# Altium PCB HMC194A.PcbDoc
Units mil, origin at the board's own origin, x right, y up, seen from the top; angles counter-clockwise.
Board outline 1095 x 1110 mil, 2 copper layers (Top Layer, Bottom Layer); 8 components, 9 nets, 38 pads, 144 vias.
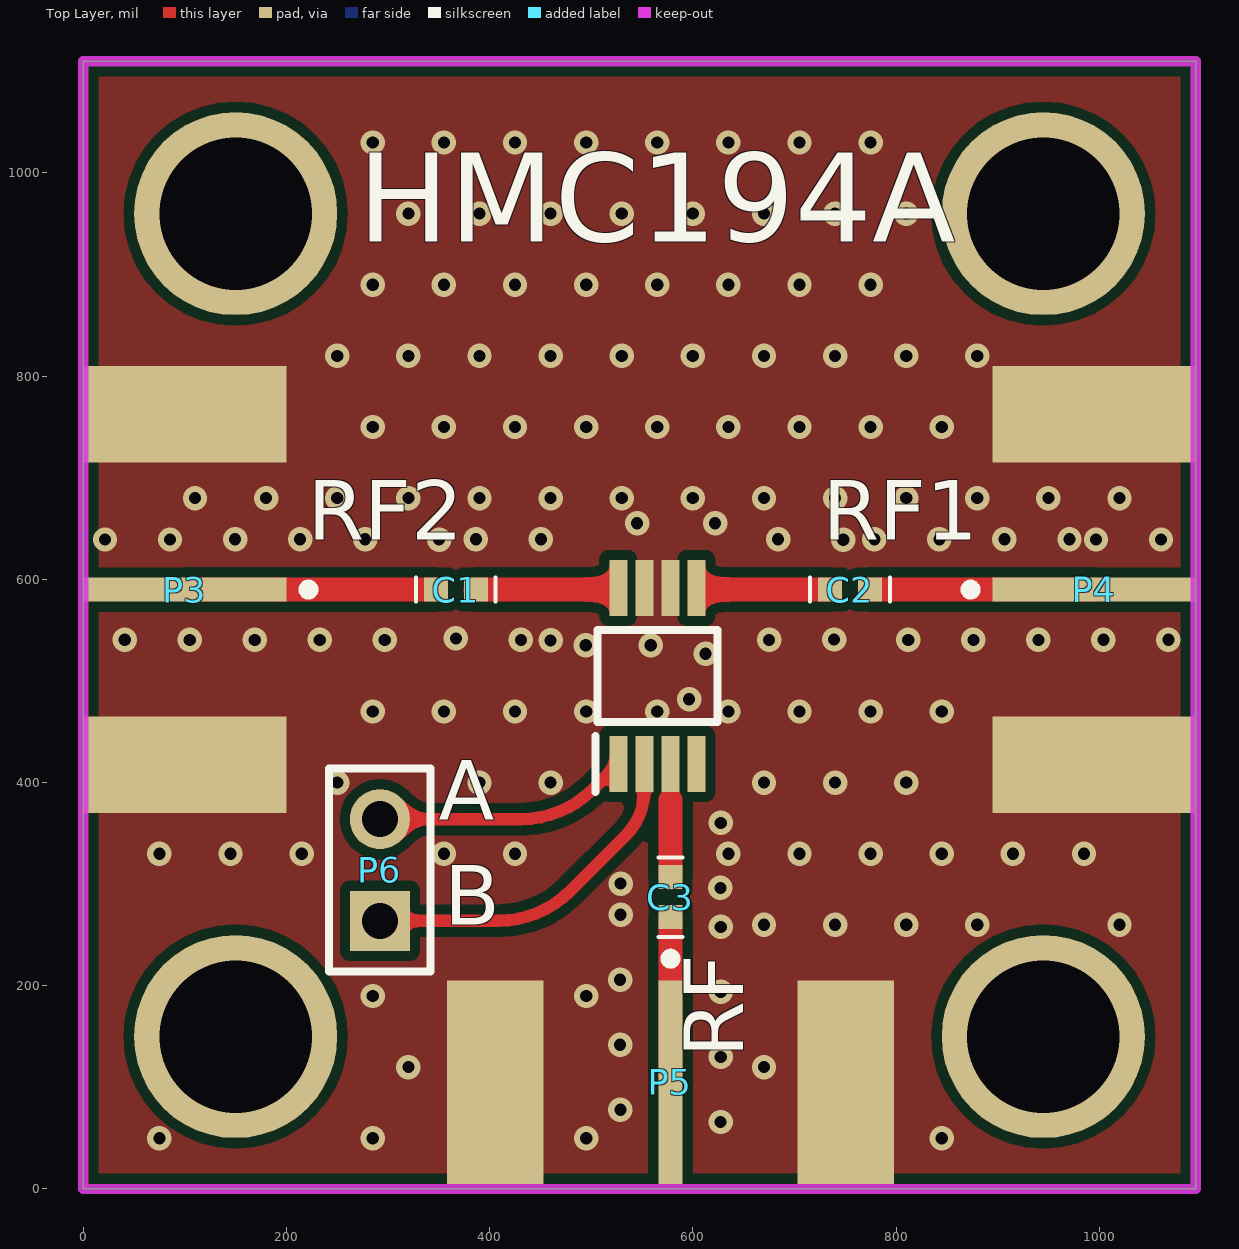
[diagram p0: Top Layer view]
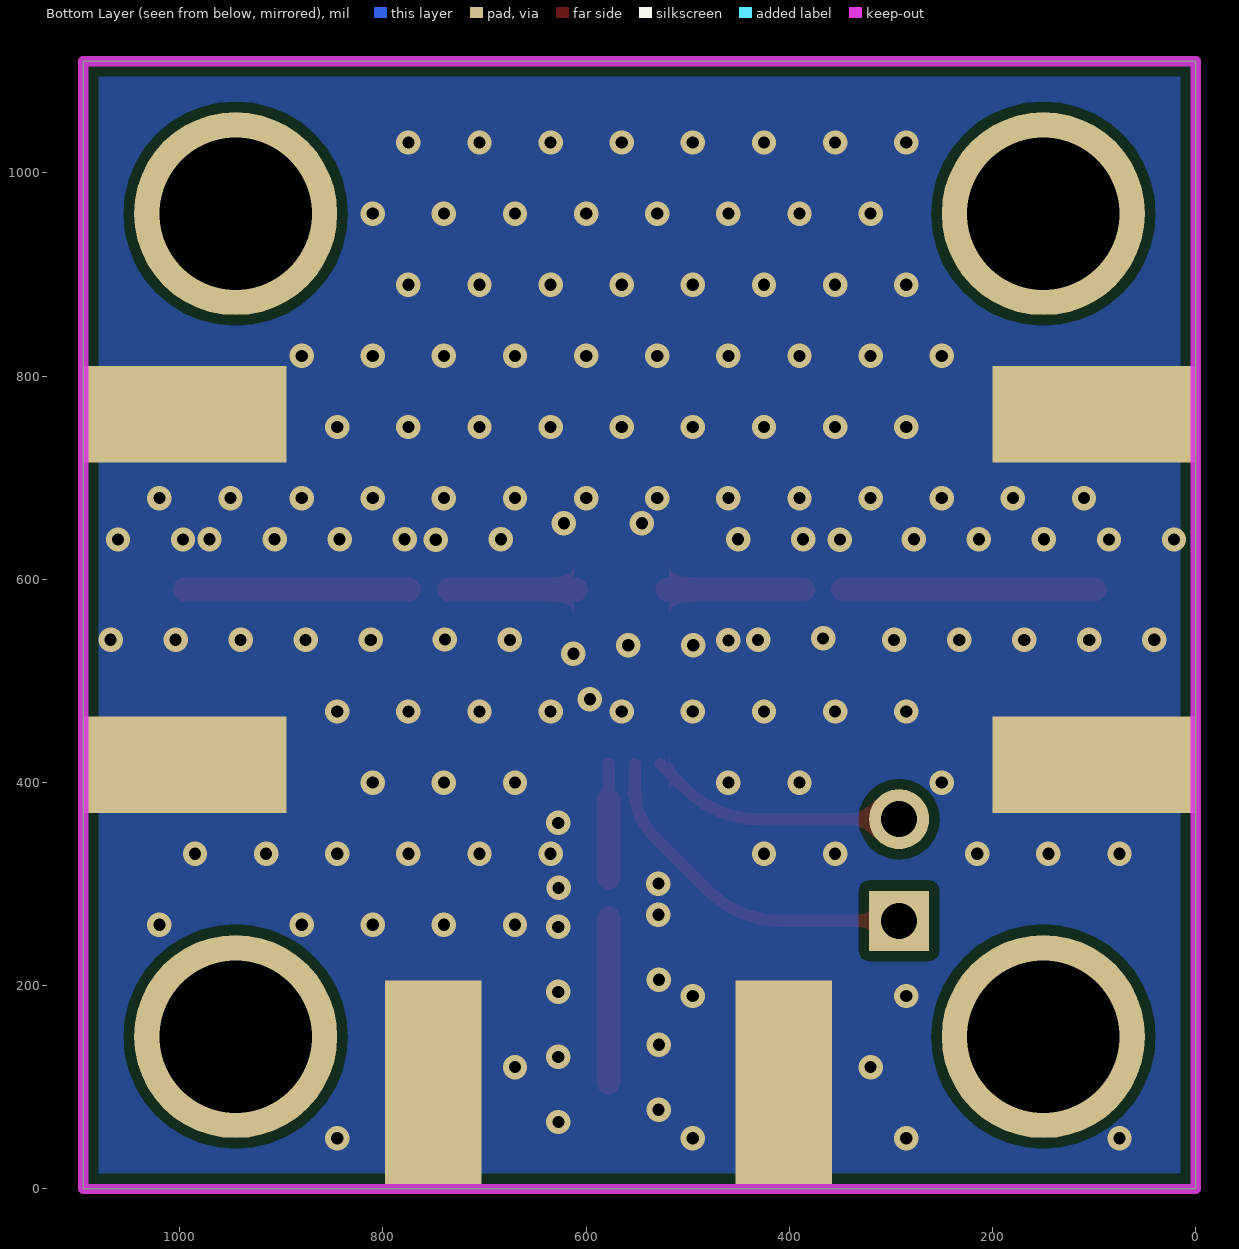
[diagram p1: Bottom Layer view, seen from below]
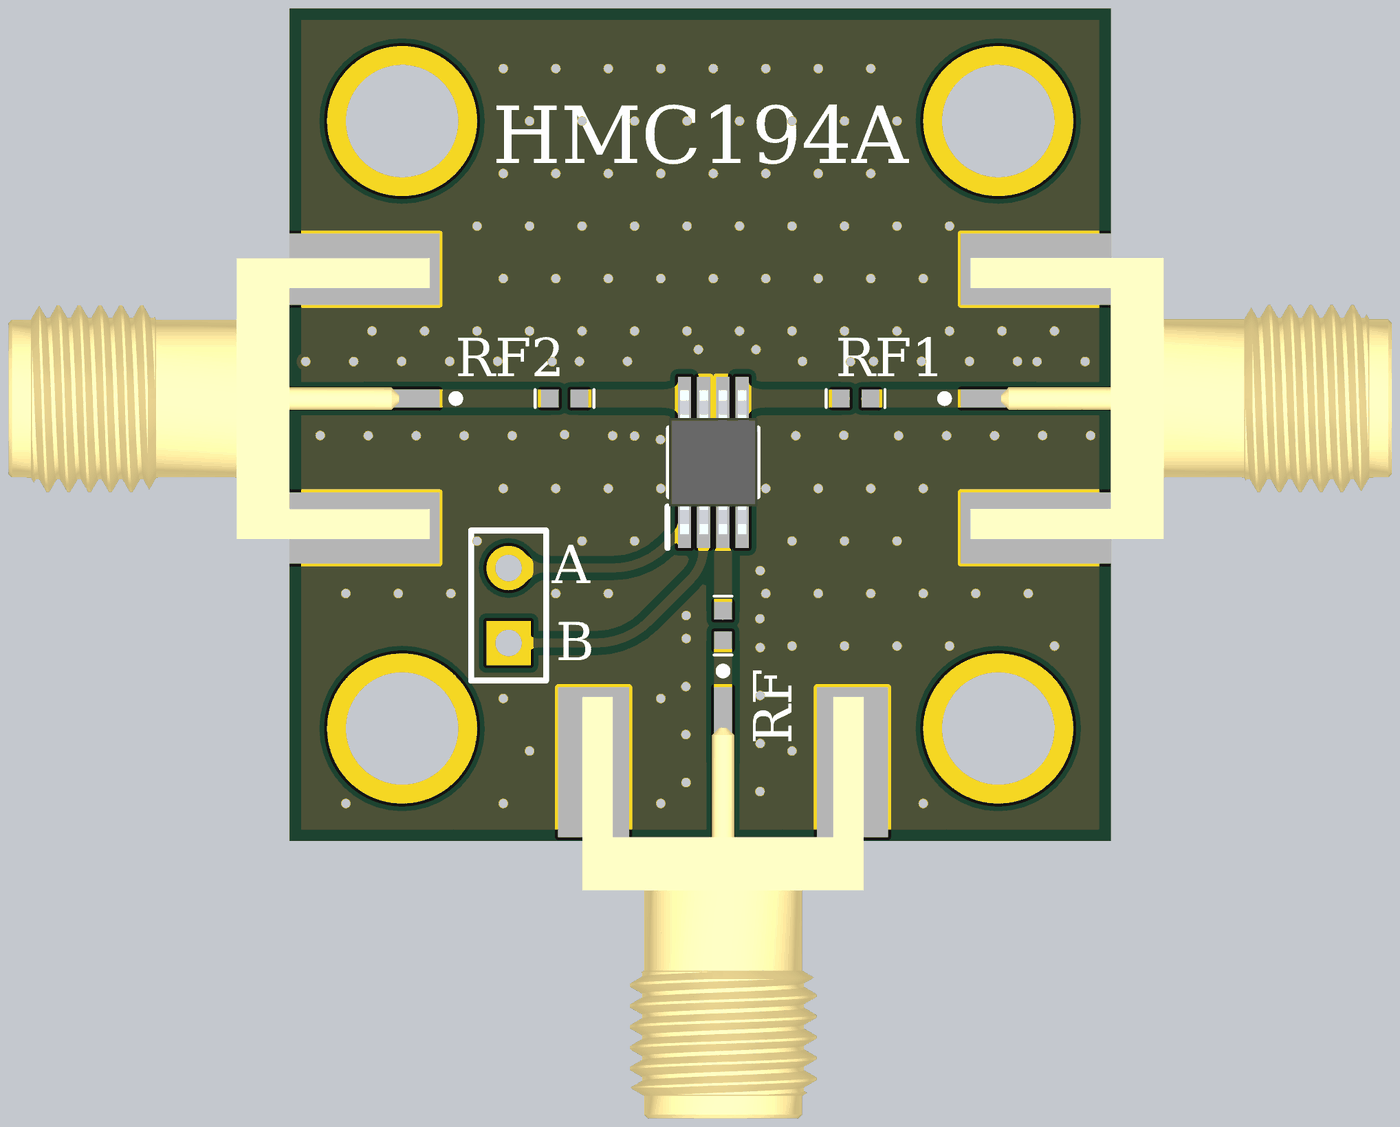
[diagram p2: 3D render of the assembled board from above, using the file's embedded part models]

## Layer stack, top to bottom
Top Solder: solder mask 0.4, Solder Resist, Dk 3.5
Top Layer: signal copper 1.4
Dielectric 1: dielectric 12.6, FR-4, Dk 4.8
Bottom Layer: signal copper 1.4
Bottom Solder: solder mask 0.4, Solder Resist, Dk 3.5

## Board outline
0,0 1095,0 1095,1110 0,1110

## Design rules (kind name [scope] priority, off if disabled: settings)
Clearance [All] p1: gap=10 ignorepadtopadclearanceinfootprint=FALSE except(0: Arc-Hole Track-Hole SMDPad-Hole THPad-Hole Via-Hole Fill-Hole Poly-Hole Region-Hole Text-Hole)
PlaneConnect [All] p1: planeconnectstyle=Direct reliefexpansion=20 reliefentries=4 reliefconductorwidth=10 reliefairgap=10
PolygonConnect [All] p1: connectstyle=Direct reliefconductorwidth=10 reliefentries=4 polygonreliefangle="90 Angle" airgapwidth=10
RoutingVias [All] p1: holewidth=28 width=50 viastyle="Through Hole" minholewidth=28 minwidth=50 maxholewidth=28 maxwidth=50
SolderMaskExpansion [All] p1: expansion=4
Width [All] p1: maxlimit=40 minlimit=10 preferedwidth=12
29 further rules are at their usual default settings.

## Components (designator, comment, footprint, x,y, rotation, side; value= is the part's Value field where it differs from the comment)
C1 "10u" 0402 386.37,590 r180 top
C2 "10u" 0402 735,590 r0 top
C3 "10u" 0402 578,267.63 r90 top
HMC194A "HMC194AMS8E" SOP65P488X110-8N 565,505 r90 top (schematic designator IC1)
P3 "SMA" SMA 196,585 r0 top
P4 "SMA" SMA 899,595 r180 top
P5 "SMA" SMA 583,201 r90 top
P6 "Header 2" HDR1X2 292,264 r90 top

## Footprints (in the part's own frame and the unit in brackets; to place one, negate y for a bottom-side part, rotate by r counter-clockwise, add the part's x,y. Pads: shape width x height; smd on the part's side, far side on the other; paste and mask are expansions set on the pad)
0402 [mm]
  rect 0.6x0.6 smd: 1(0,0) 2(1,0)
  silkscreen extent -0.5,-0.3 1.5,0.3
HDR1X2 [mm]
  rect 1.5x1.5 hole 0.9: 1(0,0)
  round 1.5 hole 0.9: 2(2.54,0)
  silkscreen extent -1.27,-1.27 3.81,1.27
SMA [mil]
  rect 200x24 smd: 1(-96,5)
  rect 200x95 smd: 2(-96,-167.5) 2(-96,177.5)
  rect 200x95 smd far side: 2(-96,-167.5) 2(-96,177.5) 2(-96,177.5)
  silkscreen extent 21,0 31,10, body extent -571,-183 -9,192, height 171
SOP65P488X110-8N [mm]
  rect 1.4x0.45 smd: 1(-2.2,0.975) 2(-2.2,0.325) 3(-2.2,-0.325) 4(-2.2,-0.975) 5(2.2,-0.975) 6(2.2,-0.325) 7(2.2,0.325) 8(2.2,0.975)
  silkscreen extent -2.9,-1.5 1.15,1.55, body extent -2.44,-1.5 2.44,1.5, height 1.1

## Part data
C1 C2 C3: library part C, "Capacitor"
HMC194A: "Integrated Circuit", Manufacturer_Name="Analog Devices", Mouser Part Number=584-HMC194AMS8E, Arrow Part Number=HMC194AMS8E, Arrow Price/Stock=https://www.arrow.com/en/products/hmc194ams8e/analog-devices, Datasheet Link=https://www.mouser.in/datasheet/2/609/hmc194a-1503833.pdf, Height=1.1mm, Manufacturer_Part_Number=HMC194AMS8E, Mouser Price/Stock=https://www.mouser.co.uk/ProductDetail/Analog-Devices/HMC194AMS8E?qs=pceeu5JH%2FH9MSXBwBTVYMg%3D%3D
P3 P4 P5: "SMA Connector"
P6: "Header, 2-Pin", LatestRevisionDate=17-Jul-2002, LatestRevisionNote="Re-released for DXP Platform.", Publisher="Altium Limited"

## Free pads (board coordinates)
  round 200 hole 150: 7(150,150) 7(150,960) 7(945,150) 7(945,960)

## Via types
v1: diameter 24, hole 12, Top Layer to Bottom Layer, tented both sides, 144 vias

## Nets (pads, with @x,y where several pads share a name; then routed paths per layer and width w, separated by ;. In a path a pad name is that pad's centre, name@x,y a point inside that pad or via, vN(x,y) a via of type N, cw(c..) or ccw(c..) an arc to the next point about the centre after c; other vN are vias at no path point)
GND: HMC194A.6 HMC194A.7 P3.2 P4.2 P5.2
  other v1: 75,50 285,50 495,50 845,50 627.32,65.98 528.68,77.96 320,120 670,120 627.55,129.98 528.45,141.96 285,190 495,190 627.55,193.98 528.45,205.96 627.55,257.98 670,260 740,260 810,260 880,260 1020,260 528.87,269.96 627.13,296.38 528.87,300.61 75,330 145,330 215,330 355,330 425,330 635,330 705,330 775,330 845,330 915,330 985,330 627.55,360.38 250,400 390,400 460,400 670,400 740,400 810,400 285,470 355,470 425,470 495,470 565,470 635,470 705,470 775,470 845,470 596.31,481.99 612.55,526.78 494.54,535.24 558.54,535.11 104.86,540.45 168.86,540.45 232.86,540.45 296.86,540.45 430.75,540.45 460,540 675.08,540.45 812.1,540.45 876.1,540.45 940.1,540.45 40.86,540.68 739.08,540.87 1004.1,540.68 1068.1,540.68 366.76,541.9 21.44,639.32 85.44,639.32 350.22,639.13 747.95,638.98 996.79,639.32 1060.79,639.32 149.44,639.55 213.44,639.55 277.44,639.55 386.49,639.55 450.49,639.55 683.96,639.55 778.69,639.55 842.69,639.55 906.69,639.55 970.69,639.55 545.13,655.22 621.9,655.22 110,680 180,680 250,680 320,680 390,680 460,680 530,680 600,680 670,680 740,680 810,680 880,680 950,680 1020,680 285,750 355,750 425,750 495,750 565,750 635,750 705,750 775,750 845,750 250,820 320,820 390,820 460,820 530,820 600,820 670,820 740,820 810,820 880,820 285,890 355,890 425,890 495,890 565,890 635,890 705,890 775,890 320,960 390,960 460,960 530,960 600,960 670,960 740,960 810,960 285,1030 355,1030 425,1030 495,1030 565,1030 635,1030 705,1030 775,1030
NetC1_1: C1.1 HMC194A.8 | length 133.4
  Top Layer w24: C1.1 HMC194A.8@519.73,590
NetC1_2: C1.2 P3.1 | length 247
  Top Layer w24: P3.1 C1.2
NetC2_1: C2.1 HMC194A.5 | length 124.7
  Top Layer w24: HMC194A.5@610.27,590 C2.1
NetC2_2: C2.2 P4.1 | length 220.6
  Top Layer w24: C2.2 P4.1
NetC3_1: C3.1 P5.1 | length 161
  Top Layer w24: P5.1 C3.1@578,266
NetC3_2: C3.2 HMC194A.3 | length 122
  Top Layer w12: 577.8,372.2 HMC194A.3
  Top Layer w24: C3.2 578,382.8
NetIC1_1: HMC194A.1 P6.2 | length 252.8
  Top Layer w12: P6.2 430.81,364 ccw(c430.81,464) 501.52,393.29 HMC194A.1
NetIC1_2: HMC194A.2 P6.1 | length 347.7
  Top Layer w12: P6.1 408.58,264 ccw(c408.58,364) 479.29,293.29 534,348 ccw(c490.05,391.95) 552.2,391.95 HMC194A.2
pads on no net: HMC194A.4

## Polygon pours and split planes (outlines as drawn)
GND on Bottom Layer "Top Layer-No Net" (solid, pour order 2): 0,1110 1095,1110 1095,0 0,0
GND on Top Layer "Top Layer-No Net" (solid, pour order 4): 0,1110 1095,1110 1095,0 0,0

## Keep-outs
Keep-Out Layer:
  lines w10: 0,0 1095,0 1095,1110 0,1110 0,930 0,0

## Silkscreen, mask and mechanical layers (free items; w line width, h text height)
Top Overlay:
  text "RF2" at 221,620 h100
  text "RF1" at 728,620 h100
  text "A" at 350,344 h100
  text "B" at 355.09,241 h100
  text "RF" at 669,129 h100 r90